# Altium PCB US_EPS_GHW.PcbDoc (part 1 of 3)
Units mm, origin at the board's own origin, x right, y up, seen from the top; angles counter-clockwise.
Board outline 89 x 93.3 mm, 4 copper layers (Top Layer, Ground Plane, Signal Layer 1, Bottom Layer), stack 1.643 mm thick; 363 components, 215 nets, 1168 pads, 510 vias.
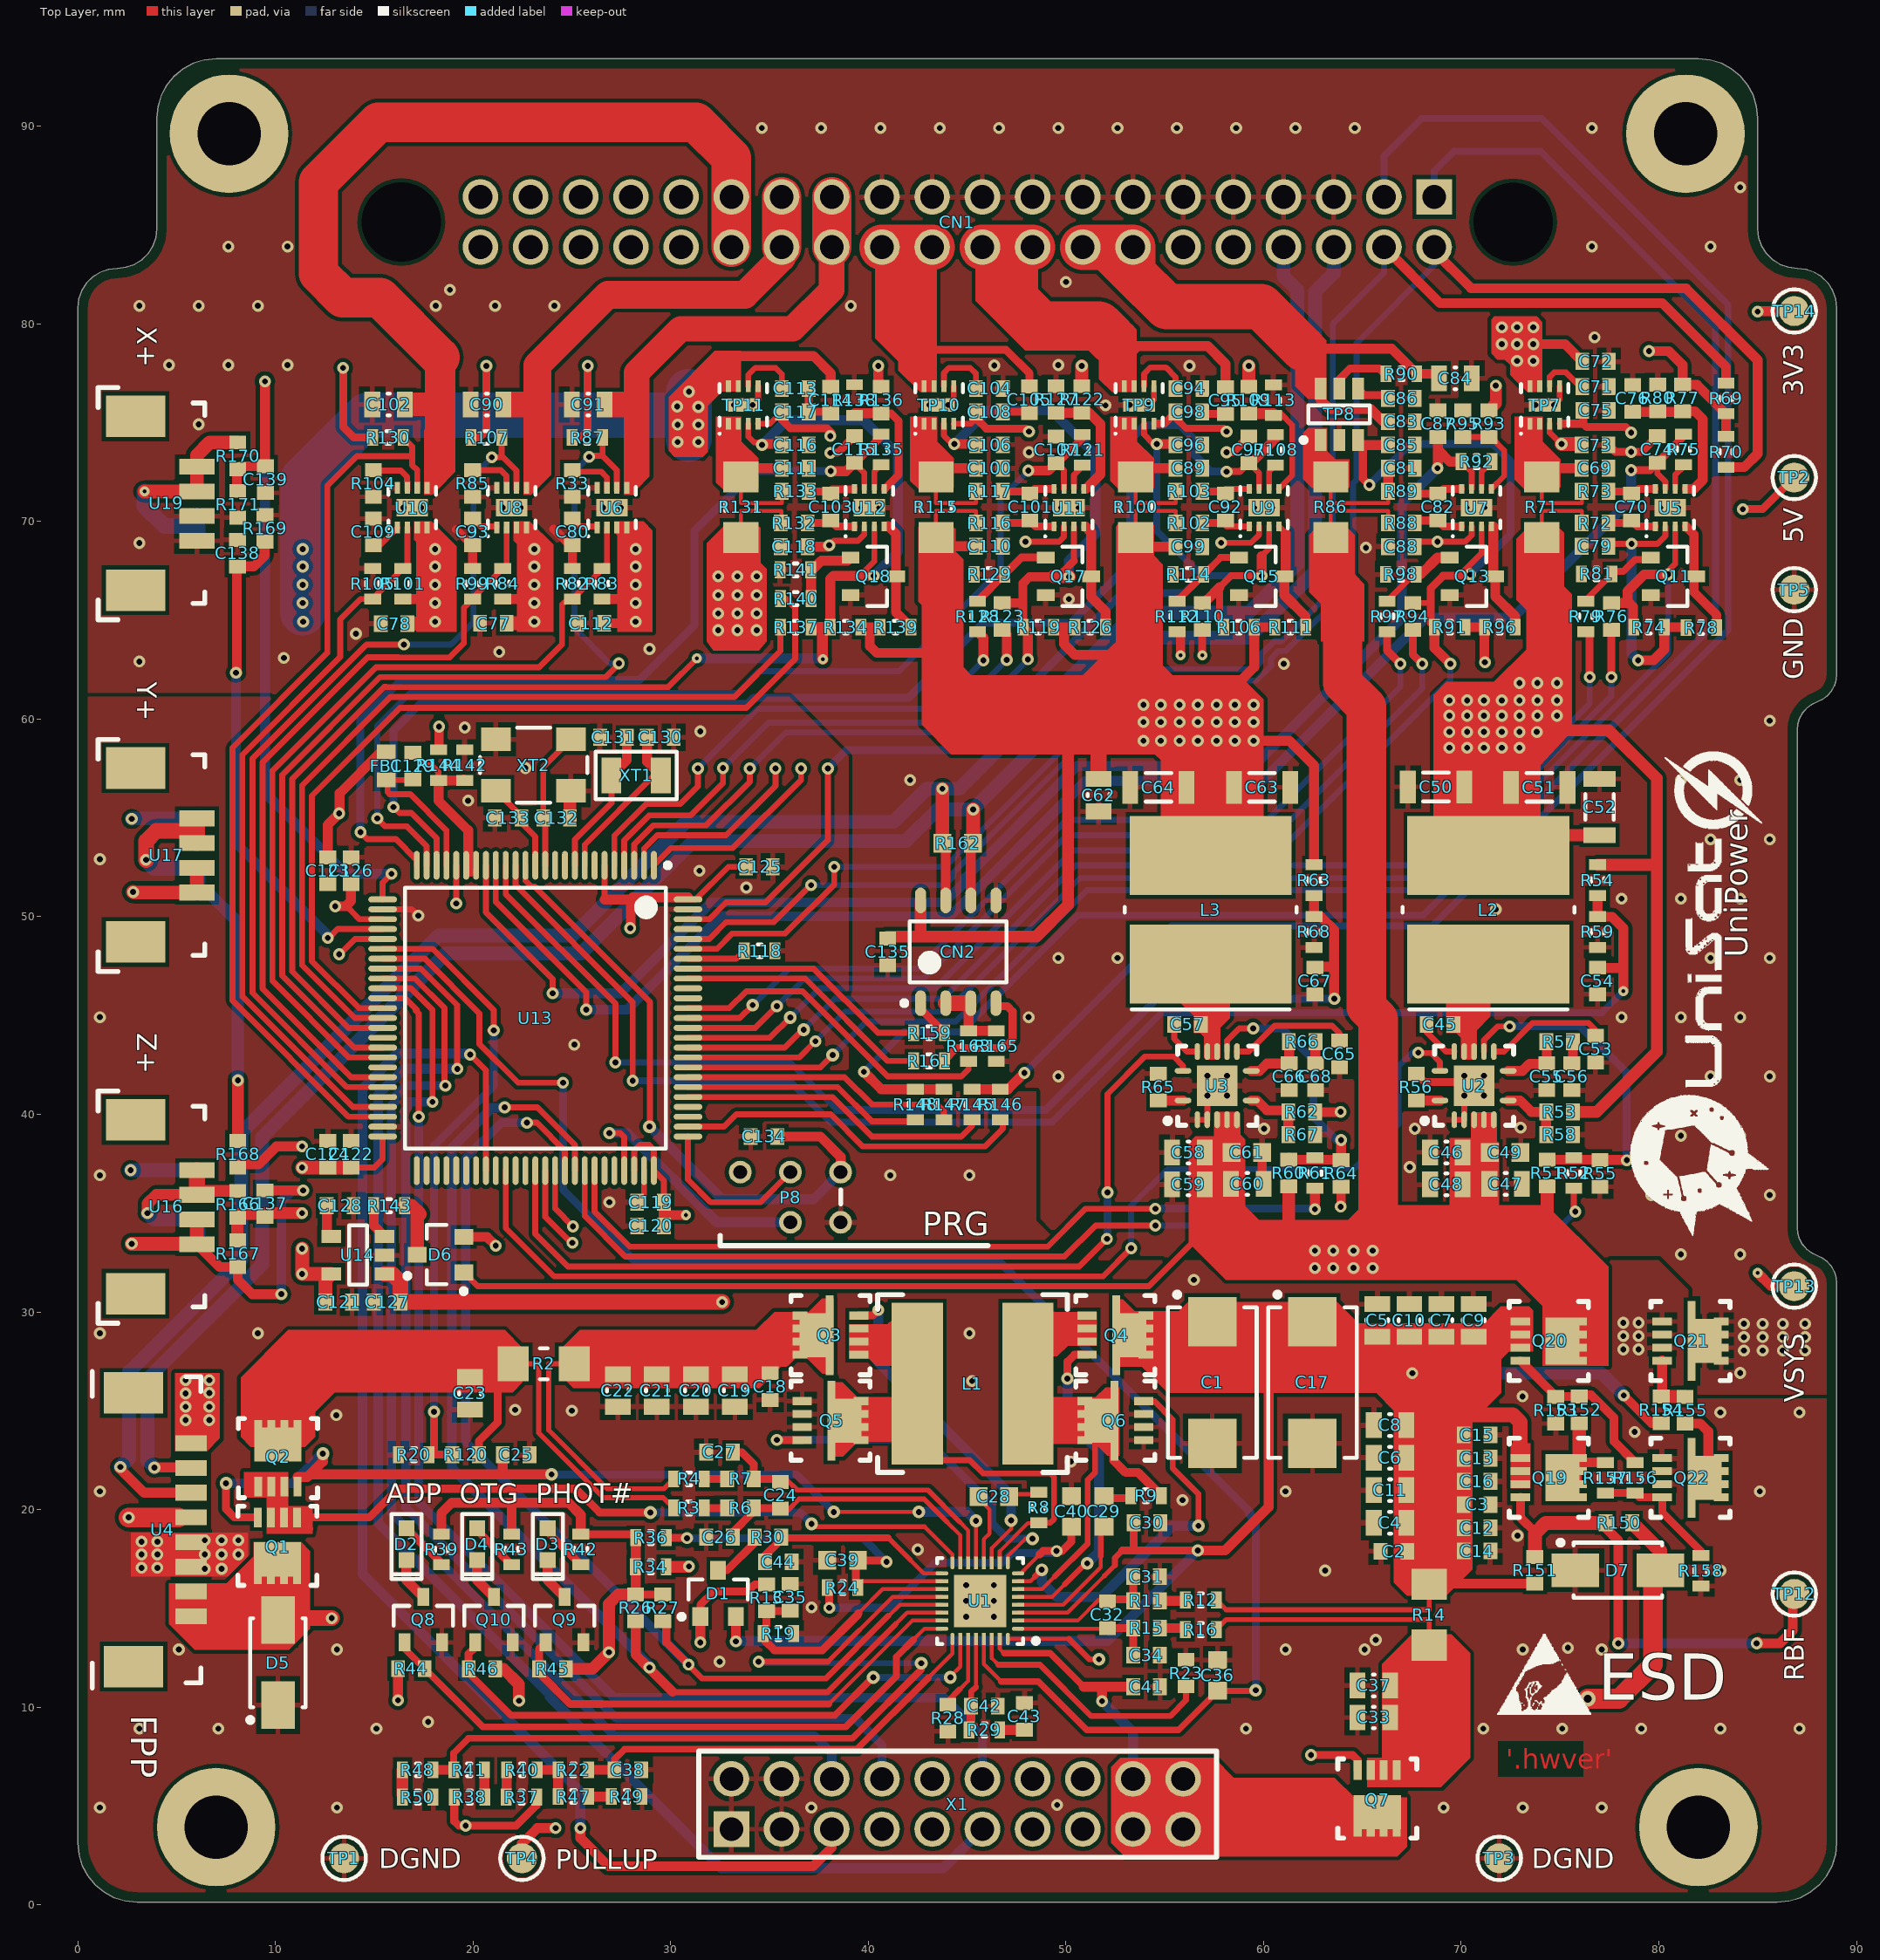
[diagram p0: Top Layer view]
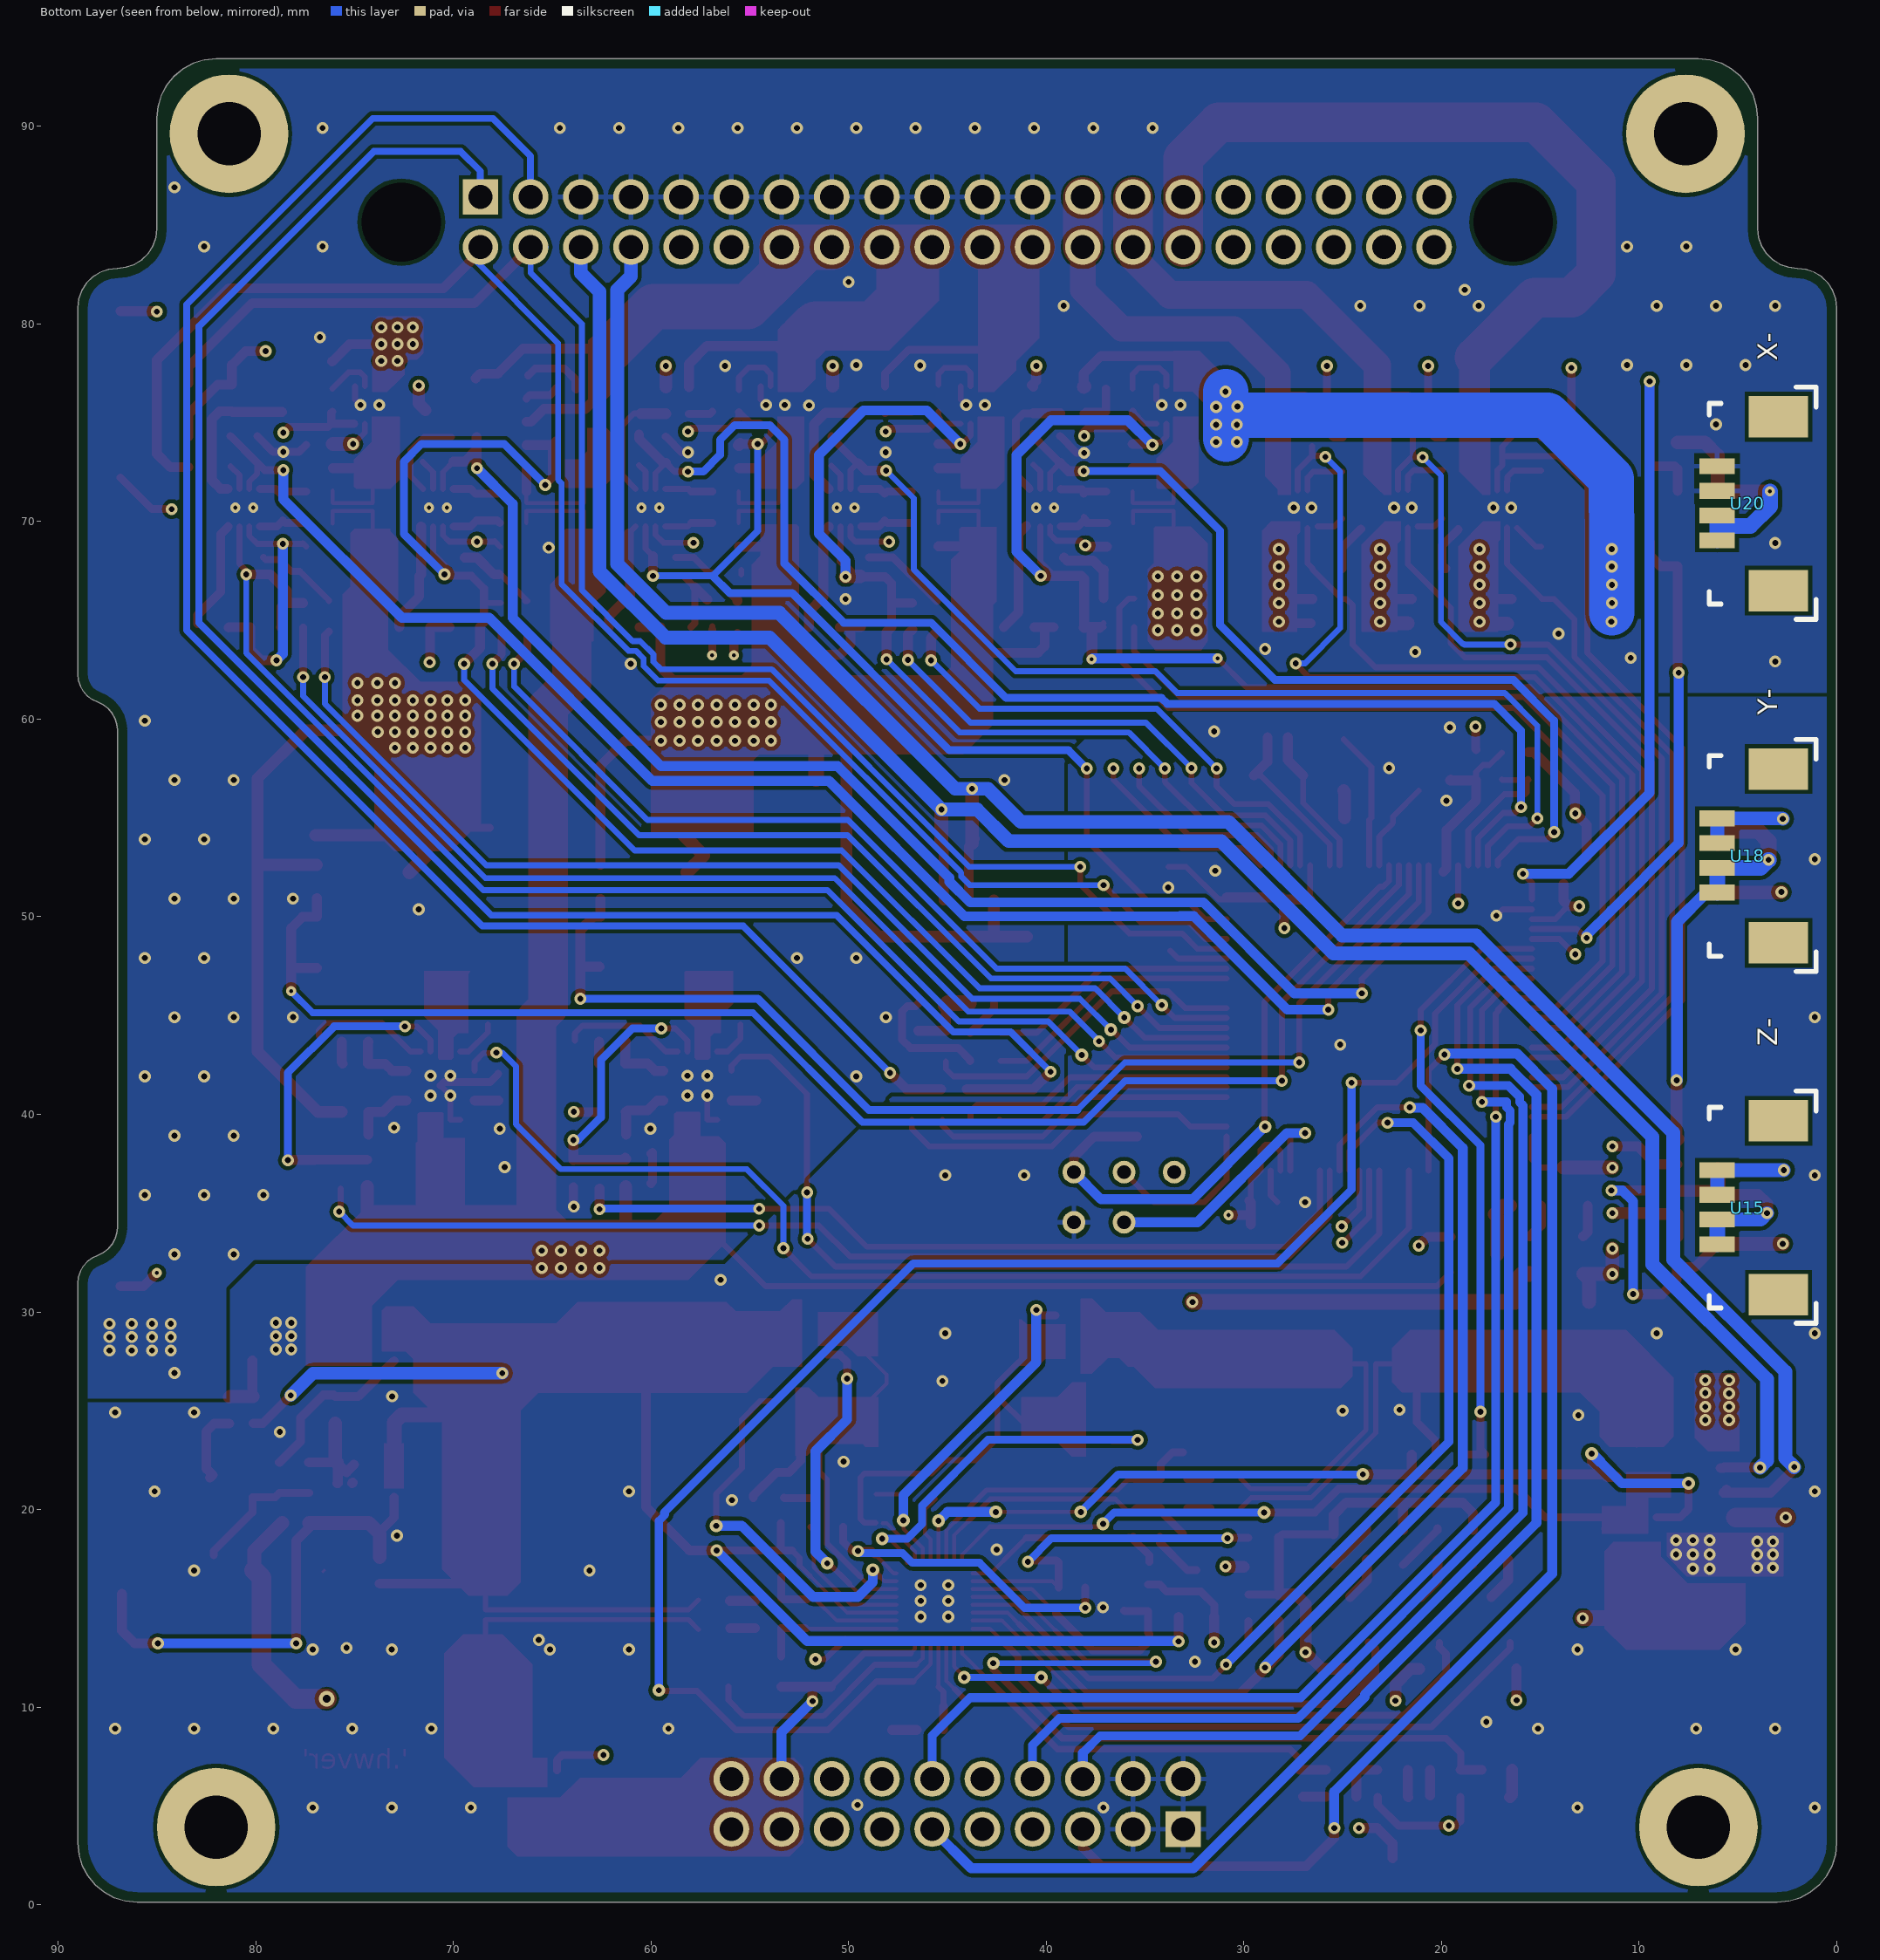
[diagram p1: Bottom Layer view, seen from below]
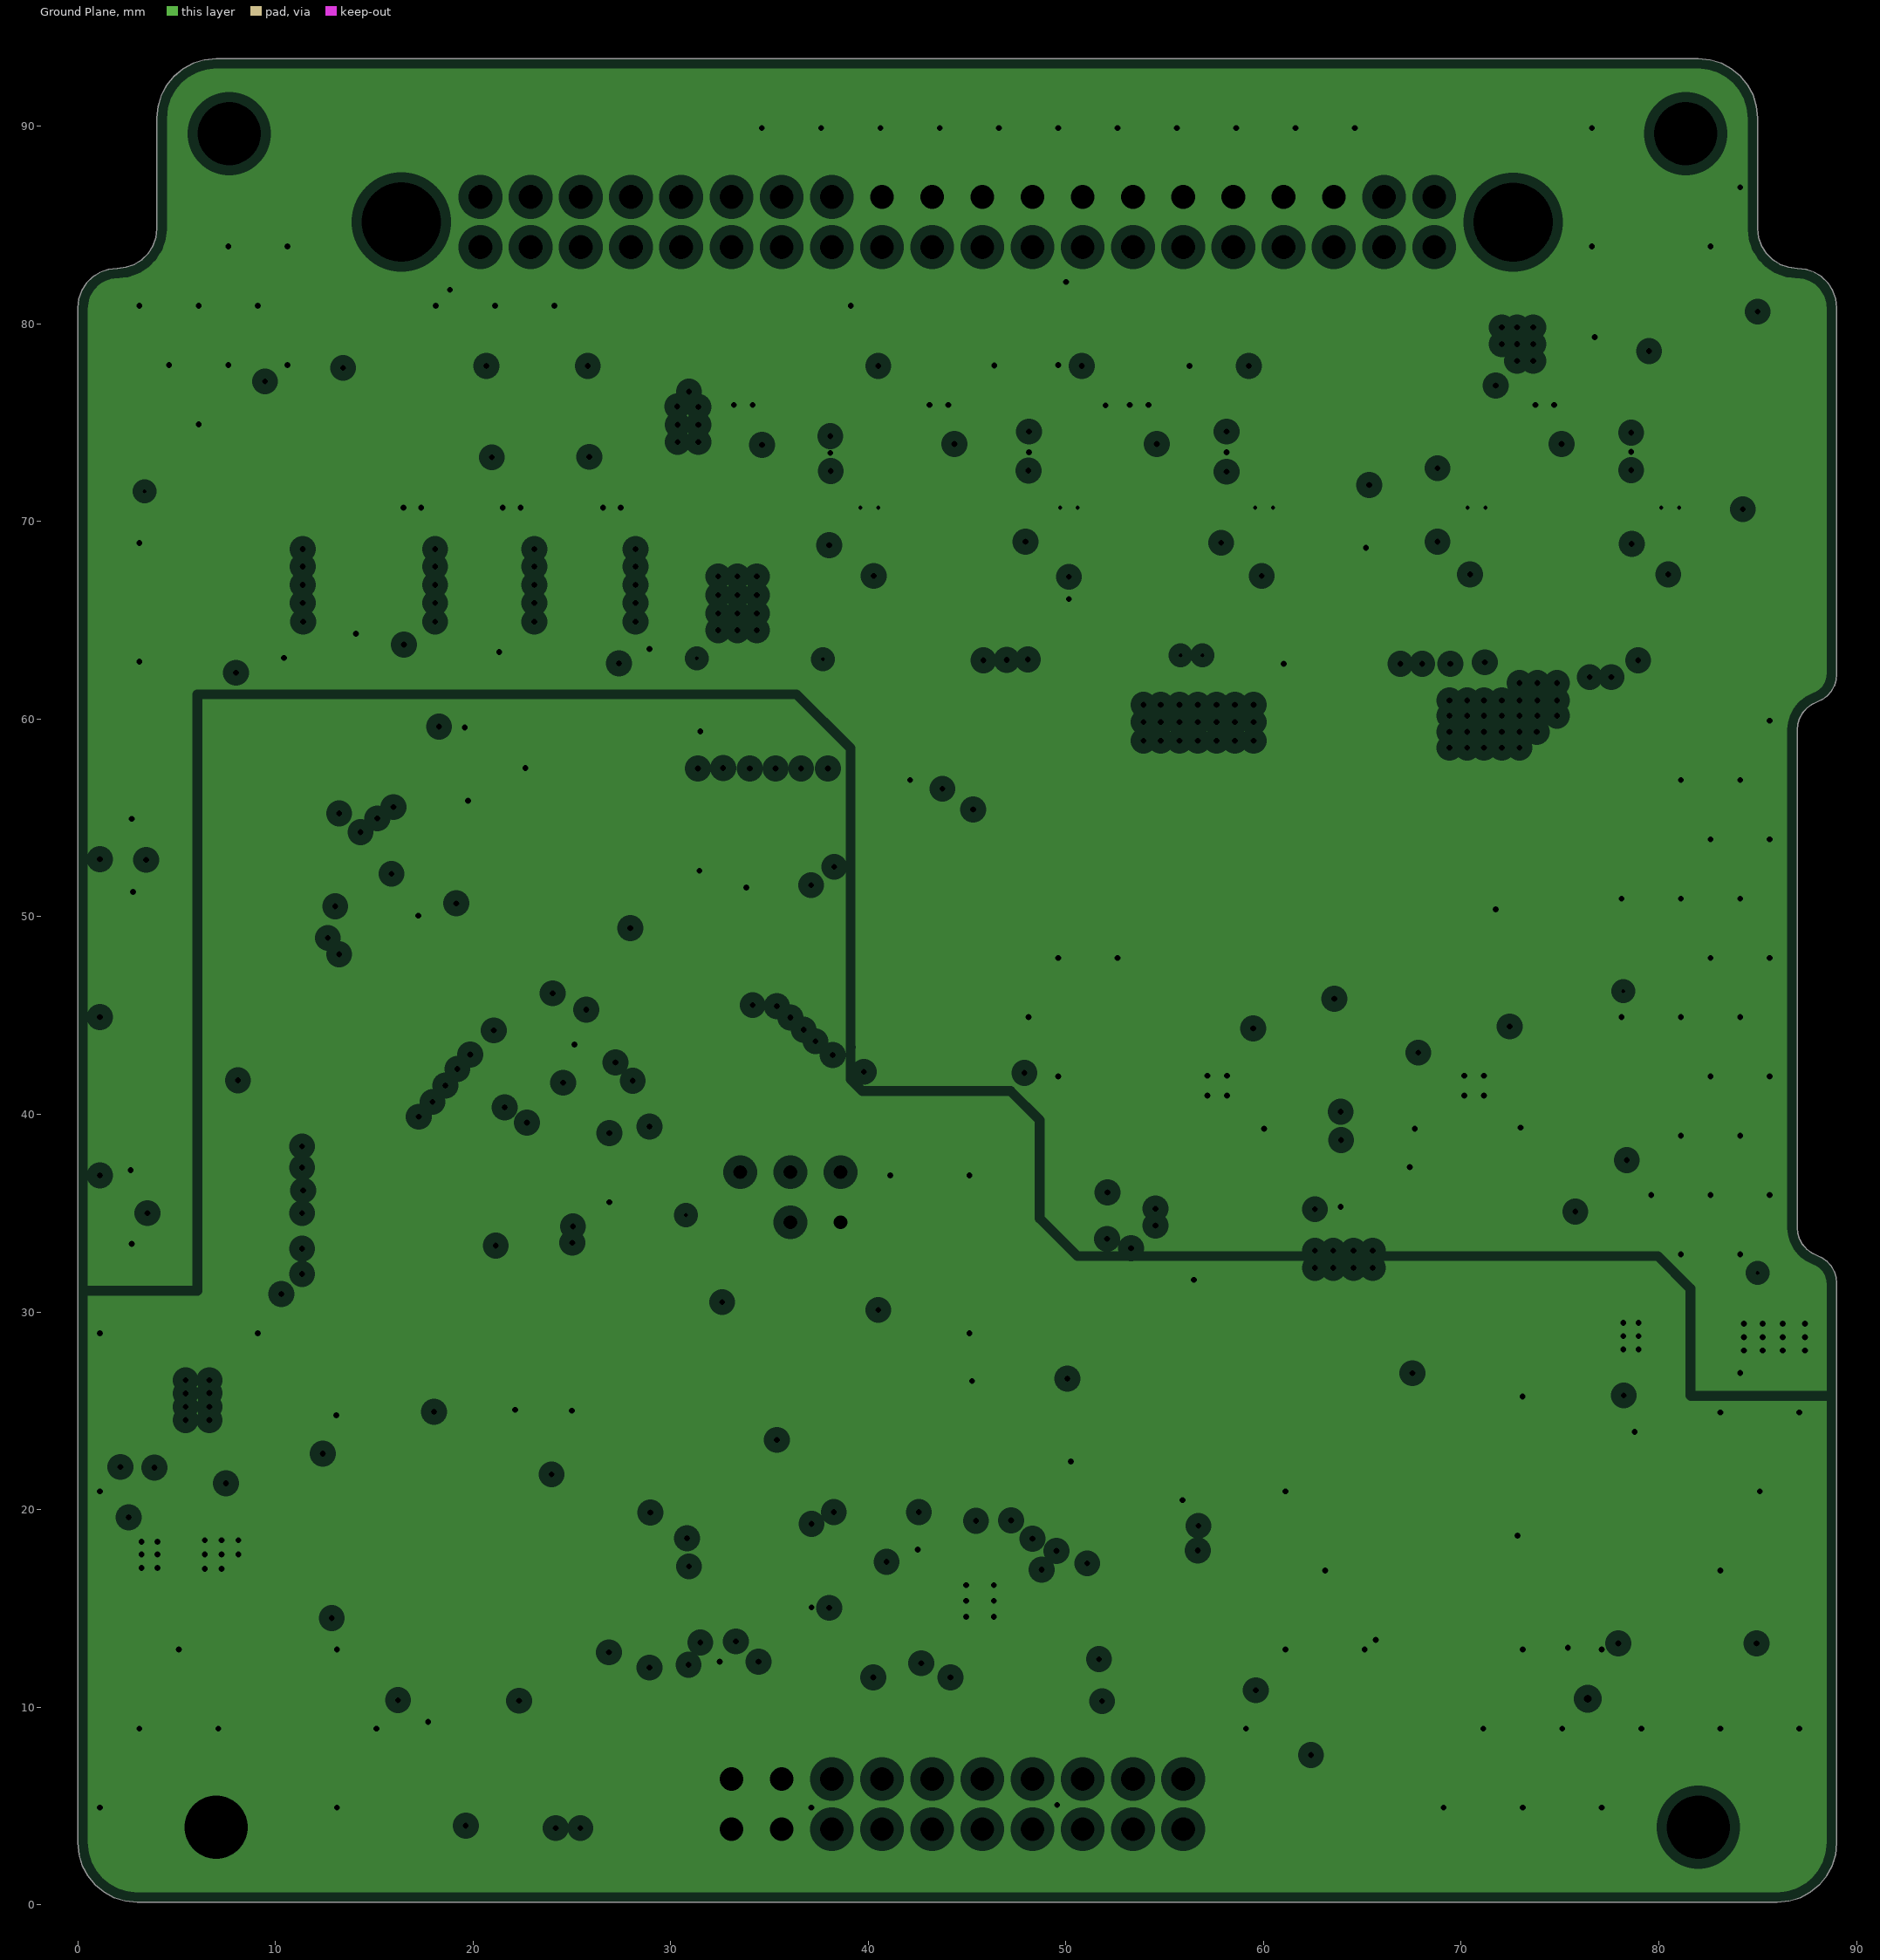
[diagram p2: Ground Plane, clearances drawn from the general rule]